# KiCad board TFLN_AI_NODE_X2_routed.kicad_pcb (continued)
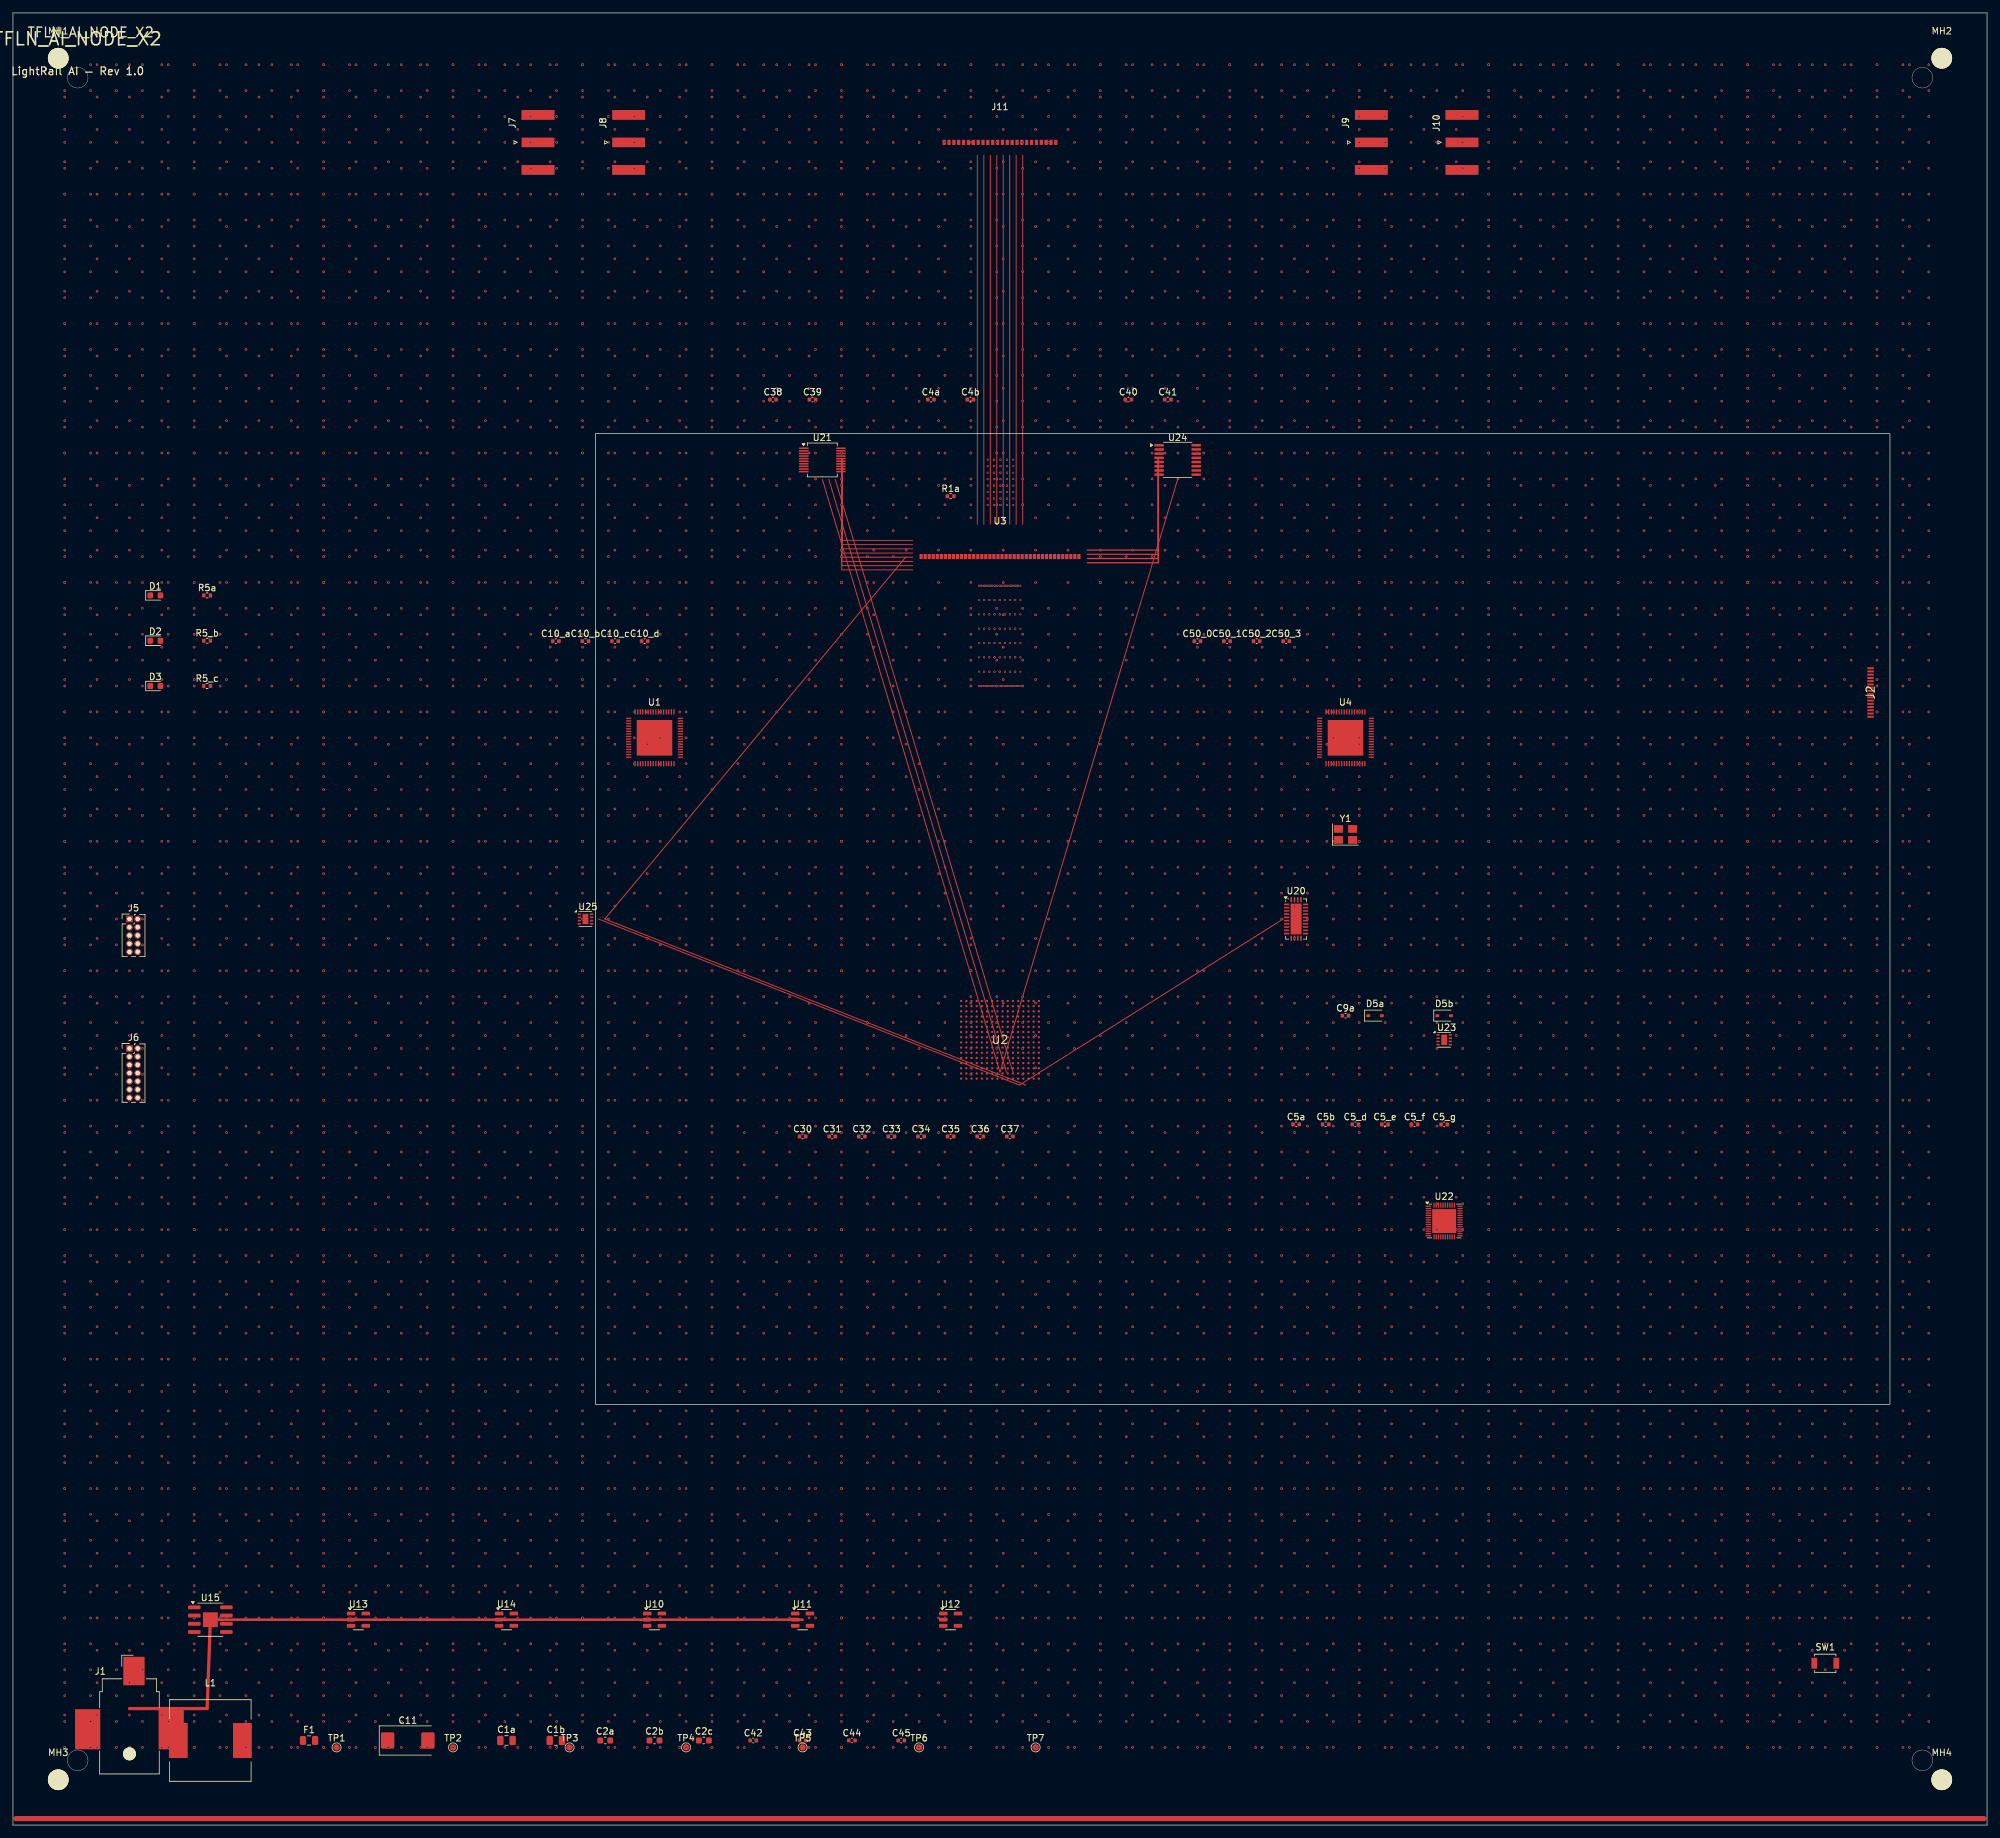
[diagram p0: board, top side]
## Routing (per net, layer and track width the routed paths; a pad name or vN(x,y) marks a point on that pad's centre or on a via; arc(x,y) is an arc through that point) (continued)
v1(76,120) v1(76,116) v1(76,112) v1(76,108) v1(76,104) v1(76,100) v1(76,96) v1(76,92) v1(76,88) v1(76,84) v1(76,80) v1(76,76) v1(76,72) v1(76,68) v1(76,64) v1(76,60) v1(76,56) v1(76,52) v1(76,48) v1(76,44) v1(76,40) v1(76,36) v1(76,32) v1(76,28) v1(76,24) v1(76,20) v1(76,16) v1(76,12) v1(78,272) v1(78,267) v1(78,262) v1(78,257) v1(78,252) v1(78,247) v1(78,242) v1(78,237) v1(78,232) v1(78,227) v1(78,222) v1(78,217) v1(78,212) v1(78,207) v1(78,202) v1(78,197) v1(78,192) v1(78,187) v1(78,182) v1(78,177) v1(78,172) v1(78,167) v1(78,162) v1(78,157) v1(78,152) v1(78,147) v1(78,142) v1(78,137) v1(78,132) v1(78,127) v1(78,122) v1(78,117) v1(78,112) v1(78,107) v1(78,102) v1(78,97) v1(78,92) v1(78,87) v1(78,82) v1(78,77) v1(78,72) v1(78,67) v1(78,62) v1(78,57) v1(78,52) v1(78,47) v1(78,42) v1(78,32) v1(78,27) v1(78,22) v1(78,17) v1(78,12) v1(80,272) v1(80,268) v1(80,264) v1(80,256) v1(80,252) v1(80,248) v1(80,244) v1(80,240) v1(80,236) v1(80,232) v1(80,228) v1(80,224) v1(80,220) v1(80,216) v1(80,212) v1(80,208) v1(80,204) v1(80,200) v1(80,196) v1(80,192) v1(80,188) v1(80,184) v1(80,180) v1(80,176) v1(80,172) v1(80,168) v1(80,164) v1(80,160) v1(80,156) v1(80,152) v1(80,148) v1(80,144) v1(80,140) v1(80,136) v1(80,132) v1(80,128) v1(80,124) v1(80,120) v1(80,116) v1(80,112) v1(80,108) v1(80,104) v1(80,100) v1(80,96) v1(80,92) v1(80,88) v1(80,84) v1(80,80) v1(80,76) v1(80,72) v1(80,68) v1(80,64) v1(80,60) v1(80,56) v1(80,52) v1(80,48) v1(80,44) v1(80,40) v1(80,36) v1(80,32) v1(80,28) v1(80,24) v1(80,20) v1(80,16) v1(80,12) v1(83,272) v1(83,267) v1(83,262) v1(83,257) v1(83,252) v1(83,247) v1(83,242) v1(83,237) v1(83,232) v1(83,227) v1(83,222) v1(83,217) v1(83,212) v1(83,207) v1(83,202) v1(83,197) v1(83,192) v1(83,187) v1(83,182) v1(83,177) v1(83,172) v1(83,167) v1(83,162) v1(83,157) v1(83,152) v1(83,147) v1(83,142) v1(83,137) v1(83,132) v1(83,127) v1(83,122) v1(83,117) v1(83,112) v1(83,107) v1(83,102) v1(83,97) v1(83,92) v1(83,87) v1(83,82) v1(83,77) v1(83,72) v1(83,67) v1(83,62) v1(83,57) v1(83,52) v1(83,47) v1(83,42) v1(83,37) v1(83,32) v1(83,27) v1(83,22) v1(83,17) v1(83,12) v1(84,272) v1(84,268) v1(84,264) v1(84,260) v1(84,256) v1(84,252) v1(84,248) v1(84,244) v1(84,240) v1(84,236) v1(84,232) v1(84,228) v1(84,224) v1(84,220) v1(84,216) v1(84,212) v1(84,208) v1(84,204) v1(84,200) v1(84,196) v1(84,192) v1(84,188) v1(84,184) v1(84,180) v1(84,176) v1(84,172) v1(84,168) v1(84,164) v1(84,160) v1(84,156) v1(84,152) v1(84,148) v1(84,144) v1(84,140) v1(84,136) v1(84,132) v1(84,128) v1(84,124) v1(84,120) v1(84,116) v1(84,112) v1(84,108) v1(84,104) v1(84,100) v1(84,96) v1(84,92) v1(84,88) v1(84,84) v1(84,80) v1(84,76) v1(84,72) v1(84,68) v1(84,64) v1(84,60) v1(84,56) v1(84,52) v1(84,48) v1(84,44) v1(84,40) v1(84,36) v1(84,32) v1(84,28) v1(84,24) v1(84,20) v1(84,16) v1(84,12) v1(88,272) v1(88,272) v1(88,268) v1(88,267) v1(88,264) v1(88,262) v1(88,260) v1(88,257) v1(88,256) v1(88,252) v1(88,252) v1(88,248) v1(88,247) v1(88,244) v1(88,242) v1(88,240) v1(88,237) v1(88,236) v1(88,232) v1(88,232) v1(88,228) v1(88,227) v1(88,224) v1(88,222) v1(88,220) v1(88,217) v1(88,216) v1(88,212) v1(88,212) v1(88,208) v1(88,207) v1(88,204) v1(88,202) v1(88,200) v1(88,197) v1(88,196) v1(88,192) v1(88,192) v1(88,188) v1(88,187) v1(88,184) v1(88,182) v1(88,180) v1(88,177) v1(88,176) v1(88,172) v1(88,172) v1(88,168) v1(88,167) v1(88,164) v1(88,162) v1(88,160) v1(88,157) v1(88,156) v1(88,152) v1(88,152) v1(88,148) v1(88,147) v1(88,144) v1(88,142) v1(88,140) v1(88,137) v1(88,136) v1(88,132) v1(88,132) v1(88,128) v1(88,127) v1(88,124) v1(88,122) v1(88,120) v1(88,117) v1(88,116) v1(88,112) v1(88,112) v1(88,108) v1(88,107) v1(88,104) v1(88,102) v1(88,100) v1(88,97) v1(88,96) v1(88,92) v1(88,92) v1(88,88) v1(88,87) v1(88,84) v1(88,82) v1(88,80) v1(88,77) v1(88,76) v1(88,72) v1(88,72) v1(88,68) v1(88,67) v1(88,64) v1(88,62) v1(88,60) v1(88,57) v1(88,56) v1(88,52) v1(88,52) v1(88,48) v1(88,47) v1(88,44) v1(88,42) v1(88,40) v1(88,37) v1(88,36) v1(88,32) v1(88,32) v1(88,28) v1(88,27) v1(88,24) v1(88,22) v1(88,20) v1(88,17) v1(88,16) v1(88,12) v1(88,12) v1(92,272) v1(92,268) v1(92,264) v1(92,260) v1(92,256) v1(92,252) v1(92,248) v1(92,244) v1(92,240) v1(92,236) v1(92,232) v1(92,228) v1(92,224) v1(92,220) v1(92,216) v1(92,212) v1(92,208) v1(92,204) v1(92,200) v1(92,196) v1(92,192) v1(92,188) v1(92,184) v1(92,180) v1(92,176) v1(92,172) v1(92,168) v1(92,164) v1(92,160) v1(92,156) v1(92,152) v1(92,148) v1(92,144) v1(92,140) v1(92,136) v1(92,132) v1(92,128) v1(92,124) v1(92,120) v1(92,116) v1(92,112) v1(92,108) v1(92,104) v1(92,100) v1(92,96) v1(92,92) v1(92,88) v1(92,84) v1(92,80) v1(92,76) v1(92,72) v1(92,68) v1(92,64) v1(92,60) v1(92,56) v1(92,52) v1(92,48) v1(92,44) v1(92,40) v1(92,36) v1(92,32) v1(92,28) v1(92,24) v1(92,20) v1(92,16) v1(92,12) v1(93,272) v1(93,267) v1(93,262) v1(93,257) v1(93,252) v1(93,247) v1(93,242) v1(93,237) v1(93,232) v1(93,227) v1(93,222) v1(93,217) v1(93,212) v1(93,207) v1(93,202) v1(93,197) v1(93,192) v1(93,187) v1(93,182) v1(93,177) v1(93,172) v1(93,167) v1(93,162) v1(93,157) v1(93,152) v1(93,147) v1(93,142) v1(93,137) v1(93,132) v1(93,127) v1(93,122) v1(93,117) v1(93,112) v1(93,107) v1(93,102) v1(93,97) v1(93,92) v1(93,87) v1(93,82) v1(93,77) v1(93,72) v1(93,67) v1(93,62) v1(93,57) v1(93,52) v1(93,47) v1(93,42) v1(93,32) v1(93,27) v1(93,22) v1(93,17) v1(93,12) v1(96,272) v1(96,268) v1(96,264) v1(96,256) v1(96,252) v1(96,248) v1(96,244) v1(96,240) v1(96,236) v1(96,232) v1(96,228) v1(96,224) v1(96,220) v1(96,216) v1(96,212) v1(96,208) v1(96,204) v1(96,200) v1(96,196) v1(96,192) v1(96,188) v1(96,184) v1(96,180) v1(96,176) v1(96,168) v1(96,160) v1(96,156) v1(96,152) v1(96,148) v1(96,144) v1(96,140) v1(96,136) v1(96,132) v1(96,128) v1(96,124) v1(96,120) v1(96,116) v1(96,112) v1(96,108) v1(96,104) v1(96,100) v1(96,96) v1(96,92) v1(96,88) v1(96,84) v1(96,80) v1(96,76) v1(96,72) v1(96,68) v1(96,64) v1(96,60) v1(96,56) v1(96,52) v1(96,48) v1(96,44) v1(96,40) v1(96,36) v1(96,32) v1(96,28) v1(96,24) v1(96,20) v1(96,16) v1(96,12) v1(98,272) v1(98,267) v1(98,262) v1(98,257) v1(98,252) v1(98,247) v1(98,242) v1(98,237) v1(98,232) v1(98,227) v1(98,222) v1(98,217) v1(98,212) v1(98,207) v1(98,202) v1(98,197) v1(98,192) v1(98,187) v1(98,182) v1(98,177) v1(98,172) v1(98,167) v1(98,162) v1(98,157) v1(98,152) v1(98,147) v1(98,142) v1(98,137) v1(98,132) v1(98,127) v1(98,122) v1(98,117) v1(98,112) v1(98,107) v1(98,102) v1(98,97) v1(98,92) v1(98,87) v1(98,82) v1(98,77) v1(98,72) v1(98,67) v1(98,62) v1(98,57) v1(98,52) v1(98,47) v1(98,42) v1(98,37) v1(98,32) v1(98,27) v1(98,22) v1(98,17) v1(98,12) v1(100,272) v1(100,268) v1(100,264) v1(100,260) v1(100,256) v1(100,252) v1(100,248) v1(100,244) v1(100,240) v1(100,236) v1(100,232) v1(100,228) v1(100,224) v1(100,220) v1(100,216) v1(100,212) v1(100,208) v1(100,204) v1(100,200) v1(100,196) v1(100,192) v1(100,188) v1(100,184) v1(100,180) v1(100,176) v1(100,172) v1(100,168) v1(100,164) v1(100,160) v1(100,156) v1(100,152) v1(100,148) v1(100,144) v1(100,140) v1(100,136) v1(100,132) v1(100,128) v1(100,124) v1(100,120) v1(100,116) v1(100,112) v1(100,108) v1(100,104) v1(100,100) v1(100,96) v1(100,92) v1(100,88) v1(100,84) v1(100,80) v1(100,76) v1(100,72) v1(100,68) v1(100,64) v1(100,60) v1(100,56) v1(100,52) v1(100,48) v1(100,44) v1(100,40) v1(100,36) v1(100,32) v1(100,28) v1(100,24) v1(100,20) v1(100,16) v1(100,12) v1(103,272) v1(103,267) v1(103,262) v1(103,257) v1(103,252) v1(103,247) v1(103,242) v1(103,237) v1(103,232) v1(103,227) v1(103,222) v1(103,217) v1(103,212) v1(103,207) v1(103,202) v1(103,197) v1(103,192) v1(103,187) v1(103,182) v1(103,177) v1(103,172) v1(103,162) v1(103,157) v1(103,152) v1(103,147) v1(103,142) v1(103,137) v1(103,132) v1(103,127) v1(103,122) v1(103,117) v1(103,112) v1(103,107) v1(103,102) v1(103,97) v1(103,92) v1(103,87) v1(103,82) v1(103,77) v1(103,72) v1(103,67) v1(103,62) v1(103,57) v1(103,52) v1(103,47) v1(103,42) v1(103,37) v1(103,32) v1(103,27) v1(103,22) v1(103,17) v1(103,12) v1(104,272) v1(104,268) v1(104,264) v1(104,260) v1(104,256) v1(104,252) v1(104,248) v1(104,244) v1(104,240) v1(104,236) v1(104,232) v1(104,228) v1(104,224) v1(104,220) v1(104,216) v1(104,212) v1(104,208) v1(104,204) v1(104,200) v1(104,196) v1(104,192) v1(104,188) v1(104,184) v1(104,180) v1(104,176) v1(104,172) v1(104,168) v1(104,164) v1(104,160) v1(104,156) v1(104,152) v1(104,148) v1(104,144) v1(104,140) v1(104,136) v1(104,132) v1(104,128) v1(104,124) v1(104,120) v1(104,116) v1(104,112) v1(104,108) v1(104,104) v1(104,100) v1(104,96) v1(104,92) v1(104,88) v1(104,84) v1(104,80) v1(104,76) v1(104,72) v1(104,68) v1(104,64) v1(104,60) v1(104,56) v1(104,52) v1(104,48) v1(104,44) v1(104,40) v1(104,36) v1(104,32) v1(104,28) v1(104,24) v1(104,20) v1(104,16) v1(108,272) v1(108,272) v1(108,268) v1(108,267) v1(108,264) v1(108,262) v1(108,260) v1(108,257) v1(108,256) v1(108,252) v1(108,252) v1(108,248) v1(108,247) v1(108,244) v1(108,242) v1(108,240) v1(108,237) v1(108,236) v1(108,232) v1(108,232) v1(108,228) v1(108,227) v1(108,224) v1(108,222) v1(108,220) v1(108,217) v1(108,216) v1(108,212) v1(108,212) v1(108,208) v1(108,207) v1(108,204) v1(108,202) v1(108,200) v1(108,197) v1(108,196) v1(108,192) v1(108,192) v1(108,188) v1(108,187) v1(108,184) v1(108,182) v1(108,180) v1(108,177) v1(108,176) v1(108,172) v1(108,172) v1(108,168) v1(108,164) v1(108,162) v1(108,160) v1(108,157) v1(108,156) v1(108,152) v1(108,152) v1(108,148) v1(108,147) v1(108,144) v1(108,142) v1(108,140) v1(108,137) v1(108,136) v1(108,132) v1(108,132) v1(108,128) v1(108,127) v1(108,124) v1(108,122) v1(108,120) v1(108,117) v1(108,116) v1(108,112) v1(108,112) v1(108,108) v1(108,107) v1(108,104) v1(108,102) v1(108,100) v1(108,97) v1(108,96) v1(108,92) v1(108,92) v1(108,88) v1(108,87) v1(108,84) v1(108,82) v1(108,80) v1(108,77) v1(108,76) v1(108,72) v1(108,72) v1(108,68) v1(108,67) v1(108,64) v1(108,62) v1(108,60) v1(108,57) v1(108,56) v1(108,52) v1(108,52) v1(108,48) v1(108,47) v1(108,44) v1(108,42) v1(108,40) v1(108,36) v1(108,32) v1(108,32) v1(108,28) v1(108,27) v1(108,24) v1(108,22) v1(108,20) v1(108,17) v1(108,16) v1(108,12) v1(108,12) v1(112,272) v1(112,268) v1(112,264) v1(112,260) v1(112,256) v1(112,252) v1(112,248) v1(112,244) v1(112,240) v1(112,236) v1(112,232) v1(112,228) v1(112,224) v1(112,220) v1(112,216) v1(112,212) v1(112,208) v1(112,204) v1(112,200) v1(112,196) v1(112,192) v1(112,188) v1(112,184) v1(112,180) v1(112,176) v1(112,172) v1(112,168) v1(112,164) v1(112,160) v1(112,156) v1(112,152) v1(112,148) v1(112,144) v1(112,140) v1(112,136) v1(112,132) v1(112,128) v1(112,124) v1(112,120) v1(112,116) v1(112,112) v1(112,108) v1(112,104) v1(112,100) v1(112,96) v1(112,92) v1(112,88) v1(112,84) v1(112,80) v1(112,76) v1(112,72) v1(112,68) v1(112,64) v1(112,60) v1(112,56) v1(112,52) v1(112,48) v1(112,44) v1(112,40) v1(112,36) v1(112,32) v1(112,28) v1(112,24) v1(112,20) v1(112,16) v1(112,12) v1(113,272) v1(113,267) v1(113,262) v1(113,257) v1(113,252) v1(113,247) v1(113,242) v1(113,237) v1(113,232) v1(113,227) v1(113,222) v1(113,217) v1(113,212) v1(113,207) v1(113,202) v1(113,197) v1(113,192) v1(113,187) v1(113,182) v1(113,177) v1(113,172) v1(113,162) v1(113,157) v1(113,152) v1(113,147) v1(113,142) v1(113,137) v1(113,132) v1(113,127) v1(113,122) v1(113,117) v1(113,112) v1(113,107) v1(113,102) v1(113,97) v1(113,92) v1(113,87) v1(113,82) v1(113,77) v1(113,72) v1(113,67) v1(113,62) v1(113,57) v1(113,52) v1(113,47) v1(113,42) v1(113,37) v1(113,32) v1(113,27) v1(113,22) v1(113,17) v1(113,12) v1(116,272) v1(116,268) v1(116,264) v1(116,260) v1(116,256) v1(116,252) v1(116,248) v1(116,244) v1(116,240) v1(116,236) v1(116,232) v1(116,228) v1(116,224) v1(116,220) v1(116,216) v1(116,212) v1(116,208) v1(116,204) v1(116,200) v1(116,196) v1(116,192) v1(116,188) v1(116,184) v1(116,180) v1(116,176) v1(116,172) v1(116,168) v1(116,164) v1(116,160) v1(116,156) v1(116,152) v1(116,148) v1(116,144) v1(116,140) v1(116,136) v1(116,132) v1(116,128) v1(116,124) v1(116,120) v1(116,116) v1(116,112) v1(116,108) v1(116,104) v1(116,100) v1(116,96) v1(116,92) v1(116,88) v1(116,84) v1(116,80) v1(116,76) v1(116,72) v1(116,68) v1(116,64) v1(116,60) v1(116,56) v1(116,52) v1(116,48) v1(116,44) v1(116,40) v1(116,36) v1(116,32) v1(116,28) v1(116,24) v1(116,20) v1(116,16) v1(116,12) v1(118,272) v1(118,267) v1(118,262) v1(118,257) v1(118,252) v1(118,247) v1(118,242) v1(118,237) v1(118,232) v1(118,227) v1(118,222) v1(118,217) v1(118,212) v1(118,207) v1(118,202) v1(118,197) v1(118,192) v1(118,187) v1(118,182) v1(118,177) v1(118,172) v1(118,162) v1(118,157) v1(118,152) v1(118,147) v1(118,142) v1(118,137) v1(118,132) v1(118,127) v1(118,122) v1(118,117) v1(118,112) v1(118,107) v1(118,102) v1(118,97) v1(118,92) v1(118,87) v1(118,82) v1(118,77) v1(118,72) v1(118,67) v1(118,62) v1(118,57) v1(118,52) v1(118,47) v1(118,42) v1(118,37) v1(118,32) v1(118,27) v1(118,22) v1(118,17) v1(118,12) v1(120,272) v1(120,268) v1(120,264) v1(120,260) v1(120,256) v1(120,252) v1(120,248) v1(120,244) v1(120,240) v1(120,236) v1(120,232) v1(120,228) v1(120,224) v1(120,220) v1(120,216) v1(120,212) v1(120,208) v1(120,204) v1(120,200) v1(120,196) v1(120,192) v1(120,188) v1(120,184) v1(120,180) v1(120,176) v1(120,172) v1(120,168) v1(120,164) v1(120,160) v1(120,156) v1(120,152) v1(120,148) v1(120,144) v1(120,140) v1(120,136) v1(120,132) v1(120,128) v1(120,124) v1(120,120) v1(120,116) v1(120,112) v1(120,108) v1(120,104) v1(120,100) v1(120,96) v1(120,92) v1(120,88) v1(120,84) v1(120,80) v1(120,76) v1(120,72) v1(120,68) v1(120,64) v1(120,60) v1(120,56) v1(120,52) v1(120,48) v1(120,44) v1(120,40) v1(120,36) v1(120,32) v1(120,28) v1(120,24) v1(120,20) v1(120,16) v1(120,12) v1(123,272) v1(123,267) v1(123,262) v1(123,257) v1(123,252) v1(123,247) v1(123,242) v1(123,237) v1(123,232) v1(123,227) v1(123,222) v1(123,217) v1(123,212) v1(123,207) v1(123,202) v1(123,197) v1(123,192) v1(123,187) v1(123,182) v1(123,177) v1(123,172) v1(123,162) v1(123,157) v1(123,152) v1(123,147) v1(123,142) v1(123,137) v1(123,132) v1(123,127) v1(123,122) v1(123,117) v1(123,112) v1(123,107) v1(123,102) v1(123,97) v1(123,92) v1(123,87) v1(123,82) v1(123,77) v1(123,72) v1(123,67) v1(123,62) v1(123,57) v1(123,52) v1(123,47) v1(123,42) v1(123,37) v1(123,32) v1(123,27) v1(123,22) v1(123,17) v1(123,12) v1(124,272) v1(124,268) v1(124,264) v1(124,260) v1(124,256) v1(124,252) v1(124,248) v1(124,244) v1(124,240) v1(124,236) v1(124,232) v1(124,228) v1(124,224) v1(124,220) v1(124,216) v1(124,212) v1(124,208) v1(124,204) v1(124,200) v1(124,196) v1(124,192) v1(124,188) v1(124,184) v1(124,180) v1(124,176) v1(124,172) v1(124,168) v1(124,164) v1(124,160) v1(124,156) v1(124,152) v1(124,148) v1(124,144) v1(124,140) v1(124,136) v1(124,132) v1(124,128) v1(124,124) v1(124,120) v1(124,116) v1(124,112) v1(124,108) v1(124,104) v1(124,100) v1(124,96) v1(124,92) v1(124,88) v1(124,84) v1(124,80) v1(124,76) v1(124,72) v1(124,68) v1(124,64) v1(124,60) v1(124,56) v1(124,52) v1(124,48) v1(124,44) v1(124,40) v1(124,36) v1(124,32) v1(124,28) v1(124,24) v1(124,20) v1(124,16) v1(124,12) v1(128,272) v1(128,272) v1(128,268) v1(128,267) v1(128,264) v1(128,262) v1(128,260) v1(128,257) v1(128,256) v1(128,252) v1(128,252) v1(128,248) v1(128,247) v1(128,244) v1(128,242) v1(128,240) v1(128,237) v1(128,236) v1(128,232) v1(128,232) v1(128,228) v1(128,227) v1(128,224) v1(128,222) v1(128,220) v1(128,217) v1(128,216) v1(128,212) v1(128,212) v1(128,208) v1(128,207) v1(128,204) v1(128,202) v1(128,200) v1(128,197) v1(128,196) v1(128,192) v1(128,192) v1(128,188) v1(128,187) v1(128,184) v1(128,182) v1(128,180) v1(128,177) v1(128,176) v1(128,172) v1(128,172) v1(128,168) v1(128,164) v1(128,162) v1(128,160) v1(128,157) v1(128,156) v1(128,152) v1(128,152) v1(128,148) v1(128,147) v1(128,144) v1(128,142) v1(128,140) v1(128,137) v1(128,136) v1(128,132) v1(128,132) v1(128,128) v1(128,127) v1(128,124) v1(128,122) v1(128,120) v1(128,117) v1(128,116) v1(128,112) v1(128,112) v1(128,108) v1(128,107) v1(128,104) v1(128,102) v1(128,100) v1(128,97) v1(128,96) v1(128,92) v1(128,92) v1(128,88) v1(128,87) v1(128,84) v1(128,82) v1(128,80) v1(128,77) v1(128,76) v1(128,72) v1(128,72) v1(128,68) v1(128,67) v1(128,64) v1(128,62) v1(128,60) v1(128,57) v1(128,56) v1(128,52) v1(128,52) v1(128,48) v1(128,47) v1(128,44) v1(128,42) v1(128,40) v1(128,37) v1(128,36) v1(128,32) v1(128,32) v1(128,28) v1(128,27) v1(128,24) v1(128,22) v1(128,20) v1(128,17) v1(128,16) v1(128,12) v1(128,12) v1(132,272) v1(132,268) v1(132,264) v1(132,260) v1(132,256) v1(132,252) v1(132,248) v1(132,244) v1(132,240) v1(132,236) v1(132,232) v1(132,228) v1(132,224) v1(132,220) v1(132,216) v1(132,212) v1(132,208) v1(132,204) v1(132,200) v1(132,196) v1(132,192) v1(132,188) v1(132,184) v1(132,180) v1(132,176) v1(132,172) v1(132,168) v1(132,164) v1(132,160) v1(132,156) v1(132,152) v1(132,148) v1(132,144) v1(132,140) v1(132,136) v1(132,132) v1(132,128) v1(132,124) v1(132,120) v1(132,116) v1(132,112) v1(132,108) v1(132,104) v1(132,100) v1(132,96) v1(132,92) v1(132,88) v1(132,84) v1(132,80) v1(132,76) v1(132,72) v1(132,68) v1(132,64) v1(132,60) v1(132,56) v1(132,52) v1(132,48) v1(132,44) v1(132,40) v1(132,36) v1(132,32) v1(132,28) v1(132,24) v1(132,20) v1(132,16) v1(132,12) v1(133,272) v1(133,267) v1(133,262) v1(133,257) v1(133,252) v1(133,247) v1(133,242) v1(133,237) v1(133,232) v1(133,227) v1(133,222) v1(133,217) v1(133,212) v1(133,207) v1(133,202) v1(133,197) v1(133,192) v1(133,187) v1(133,182) v1(133,177) v1(133,172) v1(133,162) v1(133,157) v1(133,152) v1(133,147) v1(133,142) v1(133,137) v1(133,132) v1(133,127) v1(133,122) v1(133,117) v1(133,112) v1(133,107) v1(133,102) v1(133,97) v1(133,92) v1(133,87) v1(133,82) v1(133,77) v1(133,72) v1(133,67) v1(133,62) v1(133,57) v1(133,52) v1(133,47) v1(133,42) v1(133,37) v1(133,32) v1(133,27) v1(133,22) v1(133,17) v1(133,12) v1(136,272) v1(136,268) v1(136,264) v1(136,260) v1(136,256) v1(136,252) v1(136,248) v1(136,244) v1(136,240) v1(136,236) v1(136,232) v1(136,228) v1(136,224) v1(136,220) v1(136,216) v1(136,212) v1(136,208) v1(136,204) v1(136,200) v1(136,196) v1(136,192) v1(136,188) v1(136,184) v1(136,180) v1(136,176) v1(136,172) v1(136,168) v1(136,164) v1(136,160) v1(136,156) v1(136,152) v1(136,148) v1(136,144) v1(136,140) v1(136,136) v1(136,132) v1(136,128) v1(136,124) v1(136,120) v1(136,116) v1(136,112) v1(136,108) v1(136,104) v1(136,100) v1(136,96) v1(136,92) v1(136,88) v1(136,84) v1(136,80) v1(136,76) v1(136,72) v1(136,68) v1(136,64) v1(136,60) v1(136,56) v1(136,52) v1(136,48) v1(136,44) v1(136,40) v1(136,36) v1(136,32) v1(136,28) v1(136,24) v1(136,20) v1(136,16) v1(136,12) v1(138,272) v1(138,267) v1(138,262) v1(138,257) v1(138,252) v1(138,247) v1(138,242) v1(138,237) v1(138,232) v1(138,227) v1(138,222) v1(138,217) v1(138,212) v1(138,207) v1(138,202) v1(138,197) v1(138,192) v1(138,187) v1(138,182) v1(138,177) v1(138,172) v1(138,162) v1(138,157) v1(138,152) v1(138,147) v1(138,142) v1(138,137) v1(138,132) v1(138,127) v1(138,122) v1(138,117) v1(138,112) v1(138,107) v1(138,102) v1(138,97) v1(138,92) v1(138,87) v1(138,82) v1(138,77) v1(138,72) v1(138,67) v1(138,62) v1(138,57) v1(138,52) v1(138,47) v1(138,42) v1(138,37) v1(138,32) v1(138,27) v1(138,22) v1(138,17) v1(138,12) v1(140,272) v1(140,268) v1(140,264) v1(140,260) v1(140,256) v1(140,252) v1(140,248) v1(140,244) v1(140,240) v1(140,236) v1(140,232) v1(140,228) v1(140,224) v1(140,220) v1(140,216) v1(140,212) v1(140,208) v1(140,204) v1(140,188) v1(140,184) v1(140,180) v1(140,176) v1(140,172) v1(140,168) v1(140,164) v1(140,160) v1(140,156) v1(140,152) v1(140,148) v1(140,144) v1(140,140) v1(140,136) v1(140,132) v1(140,128) v1(140,124) v1(140,120) v1(140,116) v1(140,112) v1(140,108) v1(140,104) v1(140,100) v1(140,96) v1(140,92) v1(140,88) v1(140,84) v1(140,80) v1(140,76) v1(140,72) v1(140,68) v1(140,64) v1(140,60) v1(140,56) v1(140,52) v1(140,48) v1(140,44) v1(140,40) v1(140,36) v1(140,32) v1(140,28) v1(140,24) v1(140,20) v1(140,16) v1(143,272) v1(143,267) v1(143,262) v1(143,257) v1(143,252) v1(143,247) v1(143,242) v1(143,237) v1(143,232) v1(143,227) v1(143,222) v1(143,217) v1(143,212) v1(143,207) v1(143,202) v1(143,197) 